# Altium PCB Testopstelling_DA_BOX_V1.0.PcbDoc (part 1 of 3)
Units mm, origin at the board's own origin, x right, y up, seen from the top; angles counter-clockwise.
Board outline 131.19 x 196.6 mm, 6 copper layers (Top Layer, PGND, 3.3V (DVDD), Extra signal layer, AGND, Bottom Layer), stack 0.816 mm thick; 200 components, 124 nets, 776 pads, 263 vias.
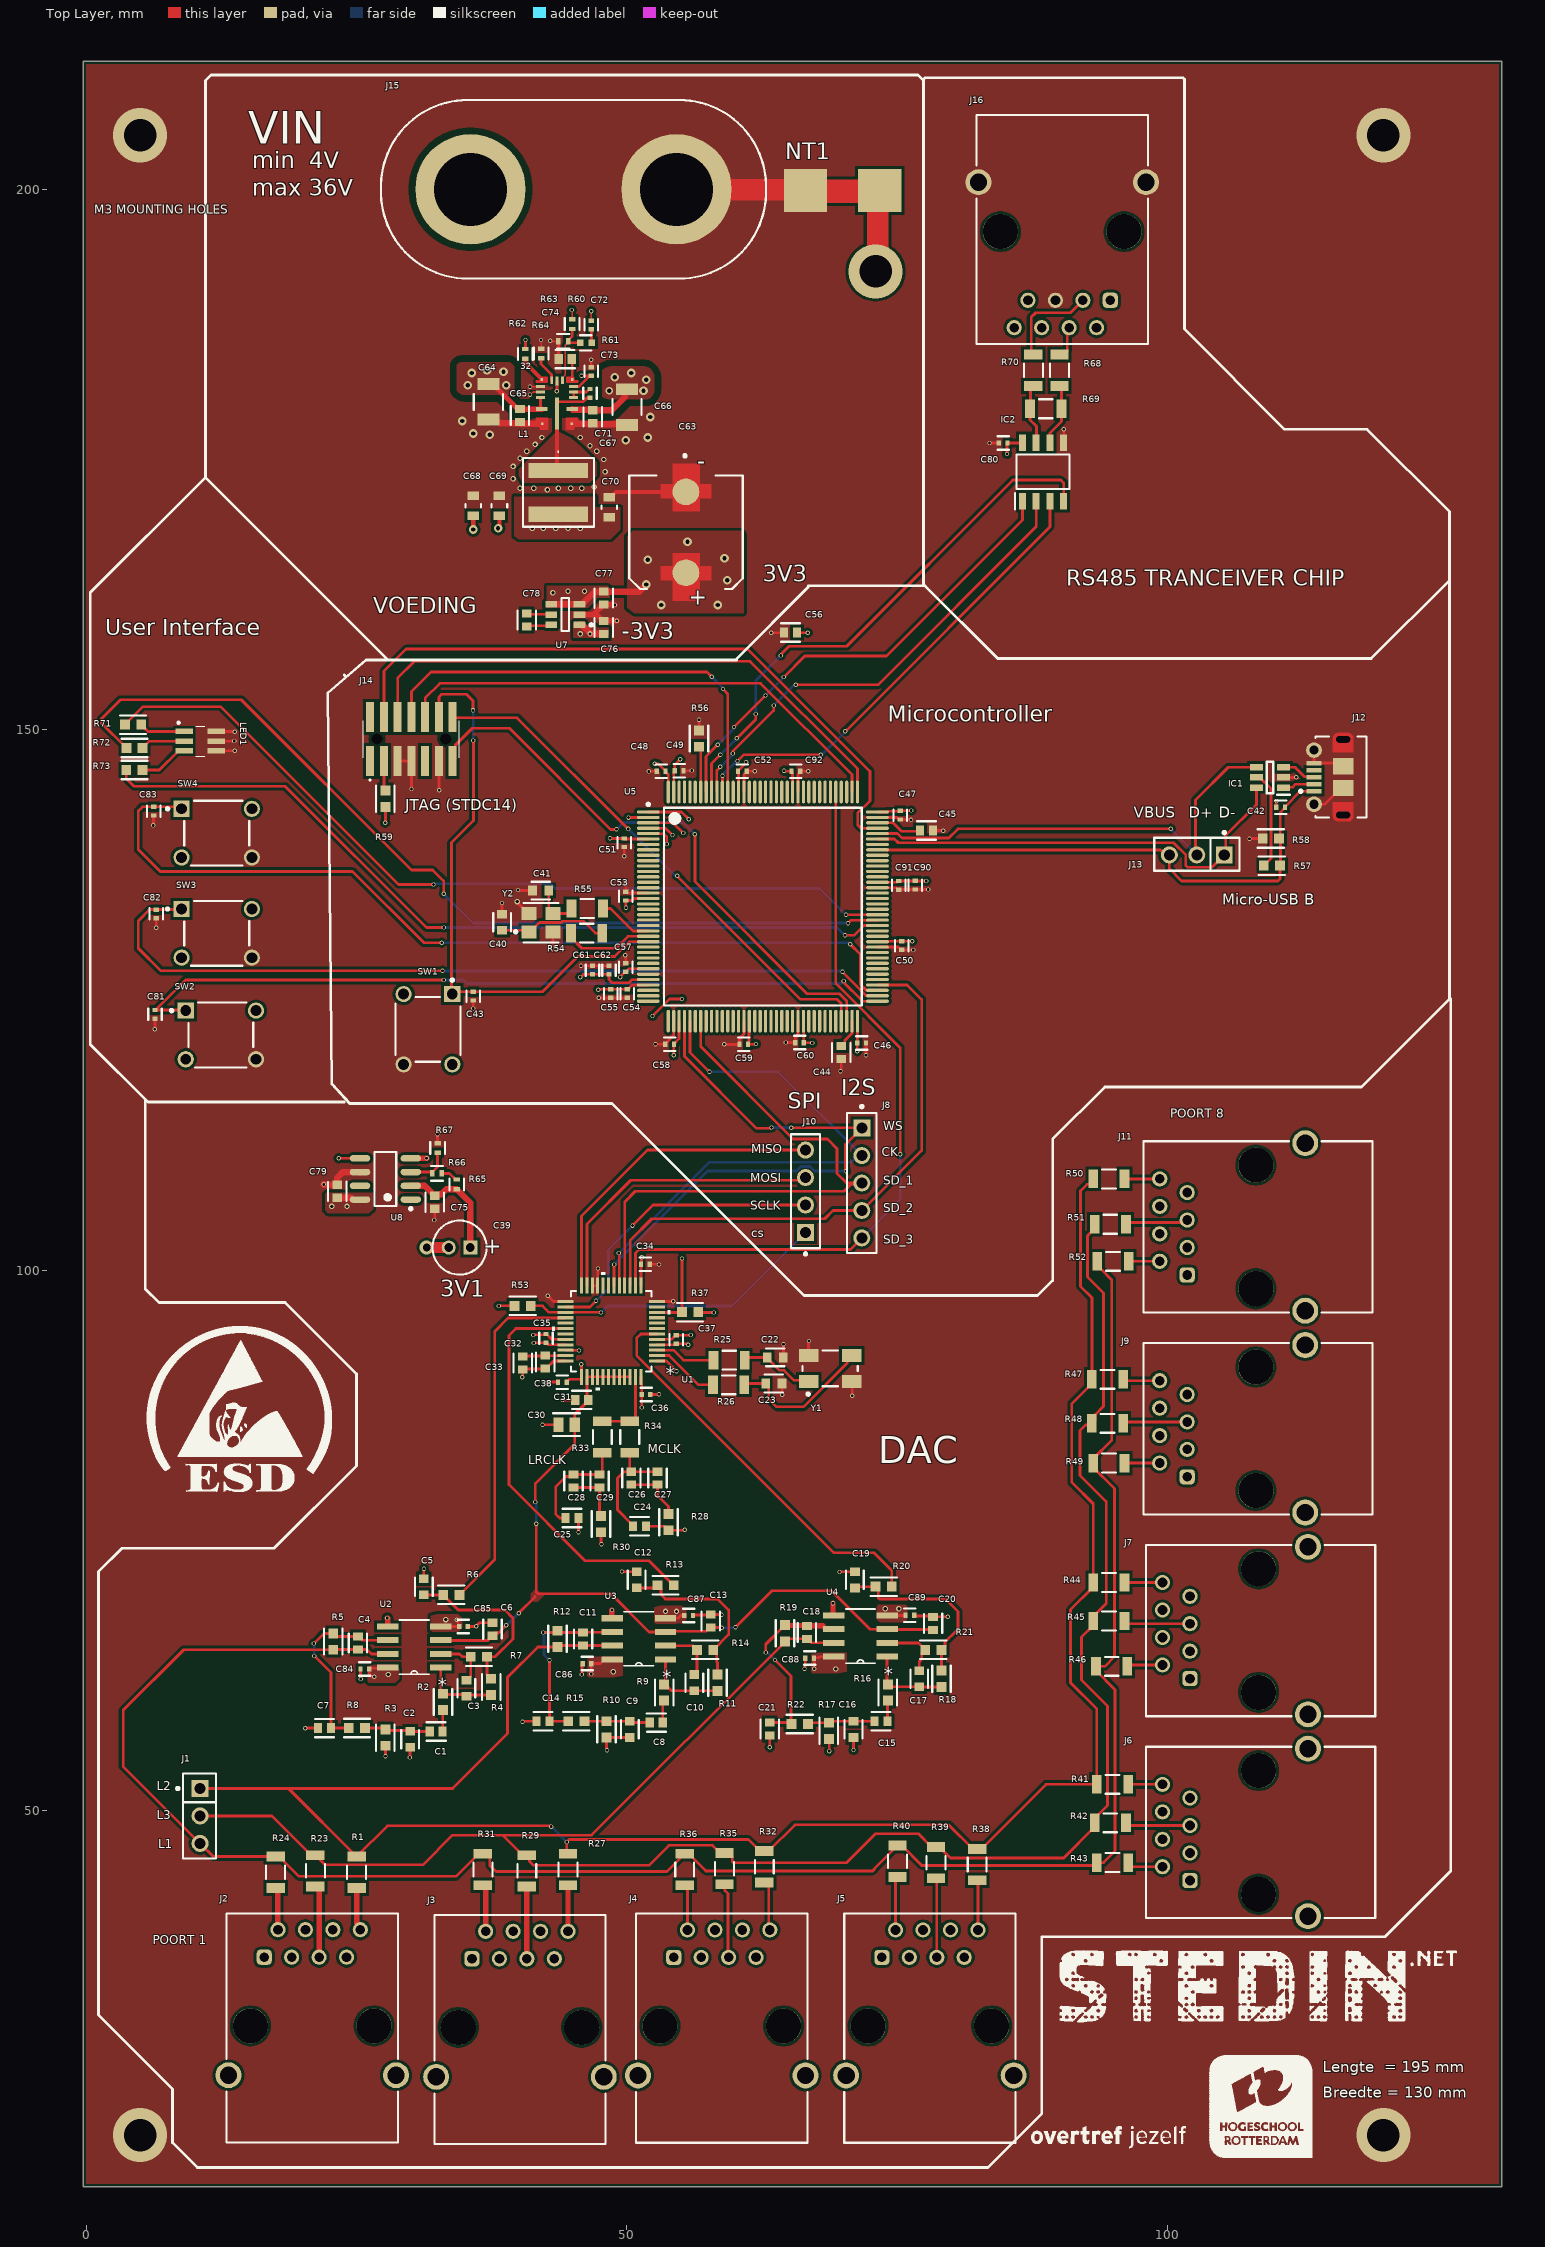
[diagram p0: Top Layer view]
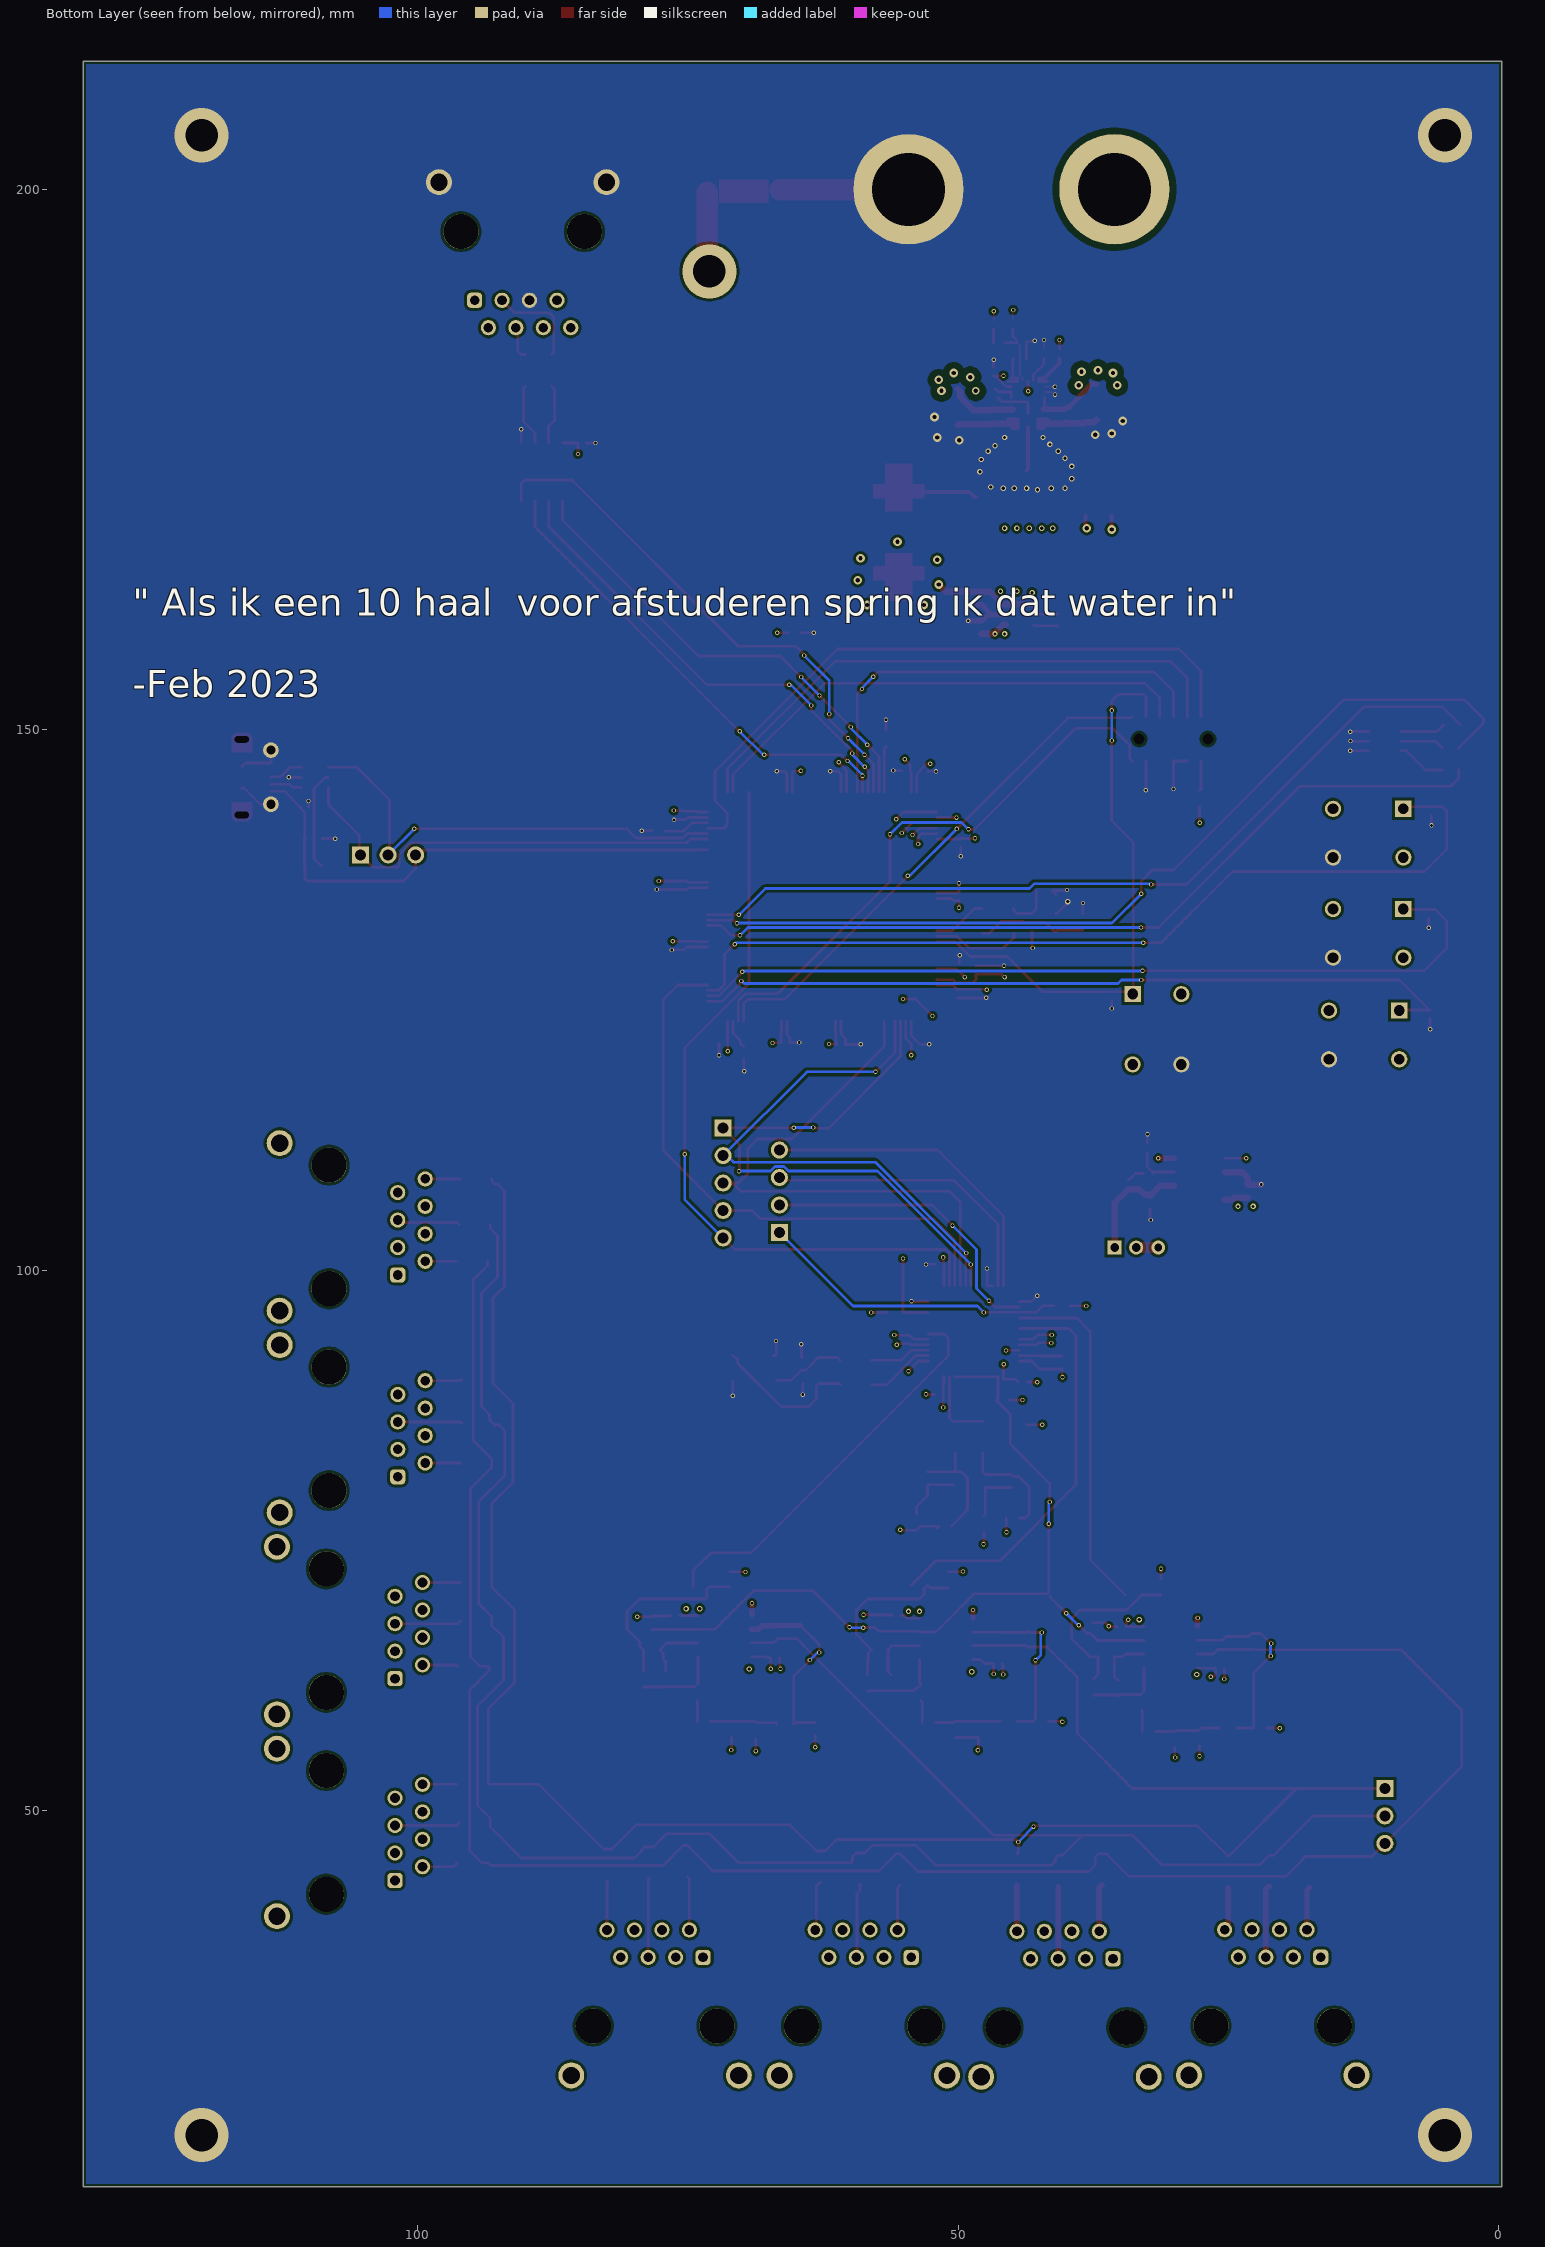
[diagram p1: Bottom Layer view, seen from below]
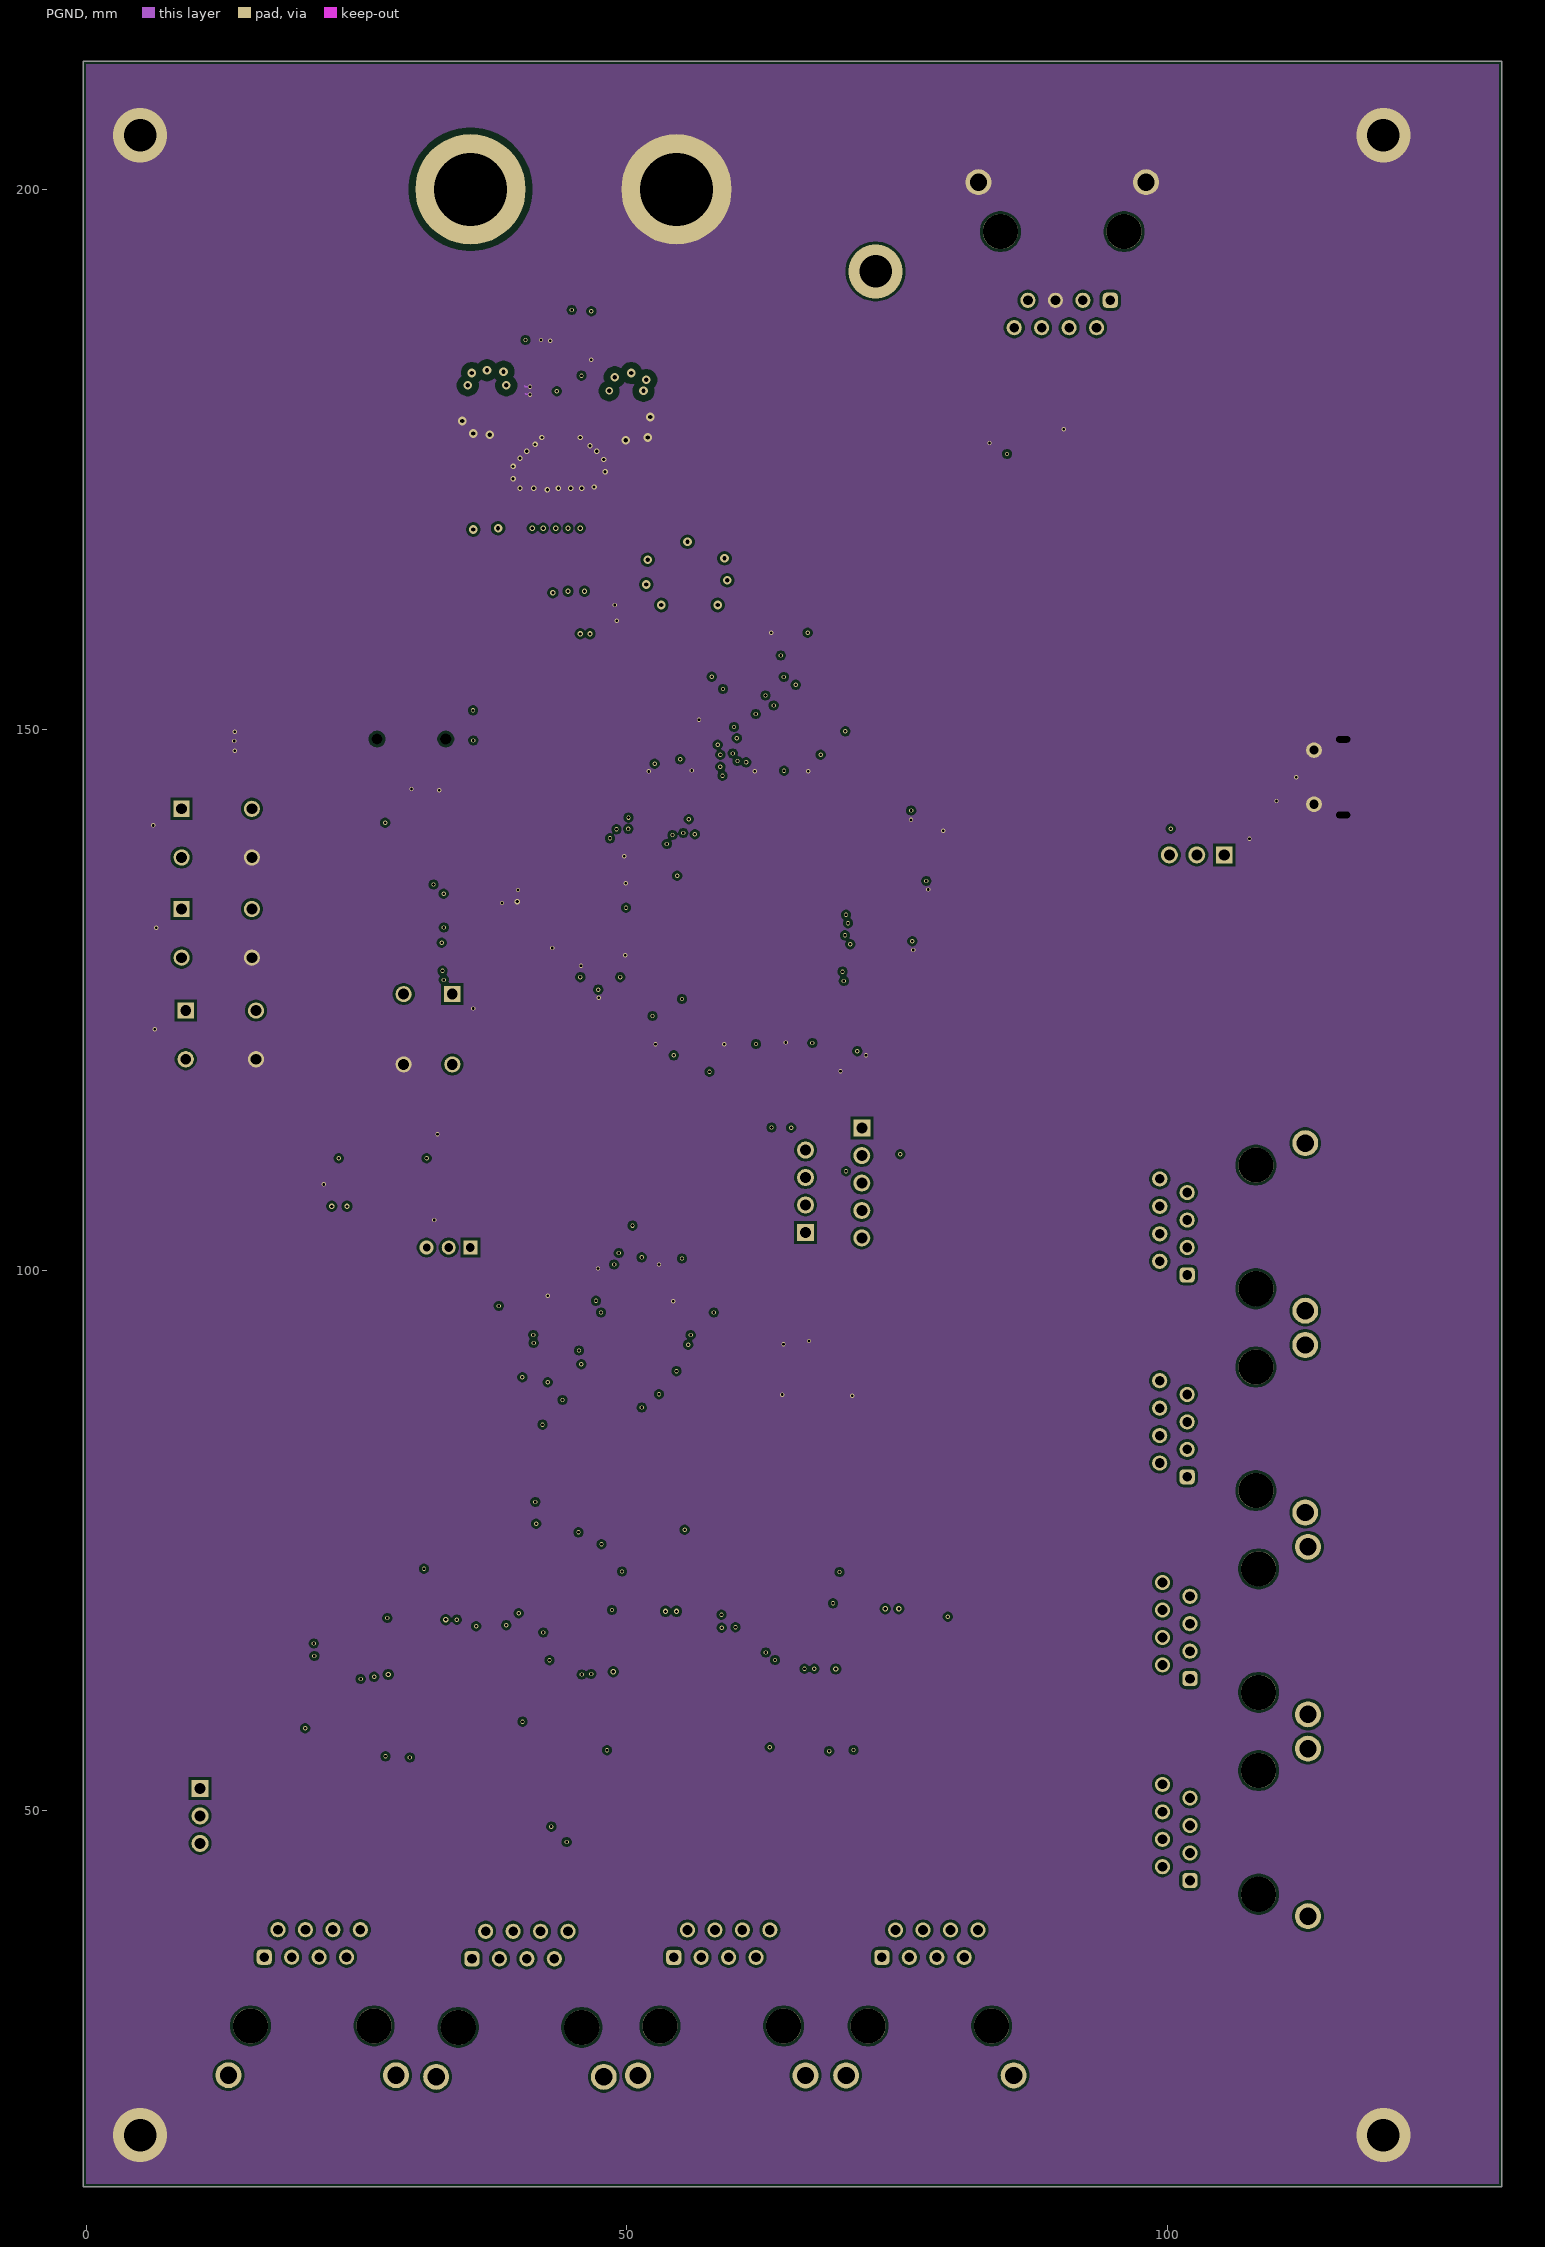
[diagram p2: PGND]